# Altium PCB ATM1099C-0627-ssy-5.PcbDoc (part 1 of 4)
Units mm, origin at the board's own origin, x right, y up, seen from the top; angles counter-clockwise.
Board outline 134 x 90 mm, 4 copper layers (TOP, GND, POWER, BOTTOM), stack 1.562 mm thick; 290 components, 303 nets, 1209 pads, 571 vias.
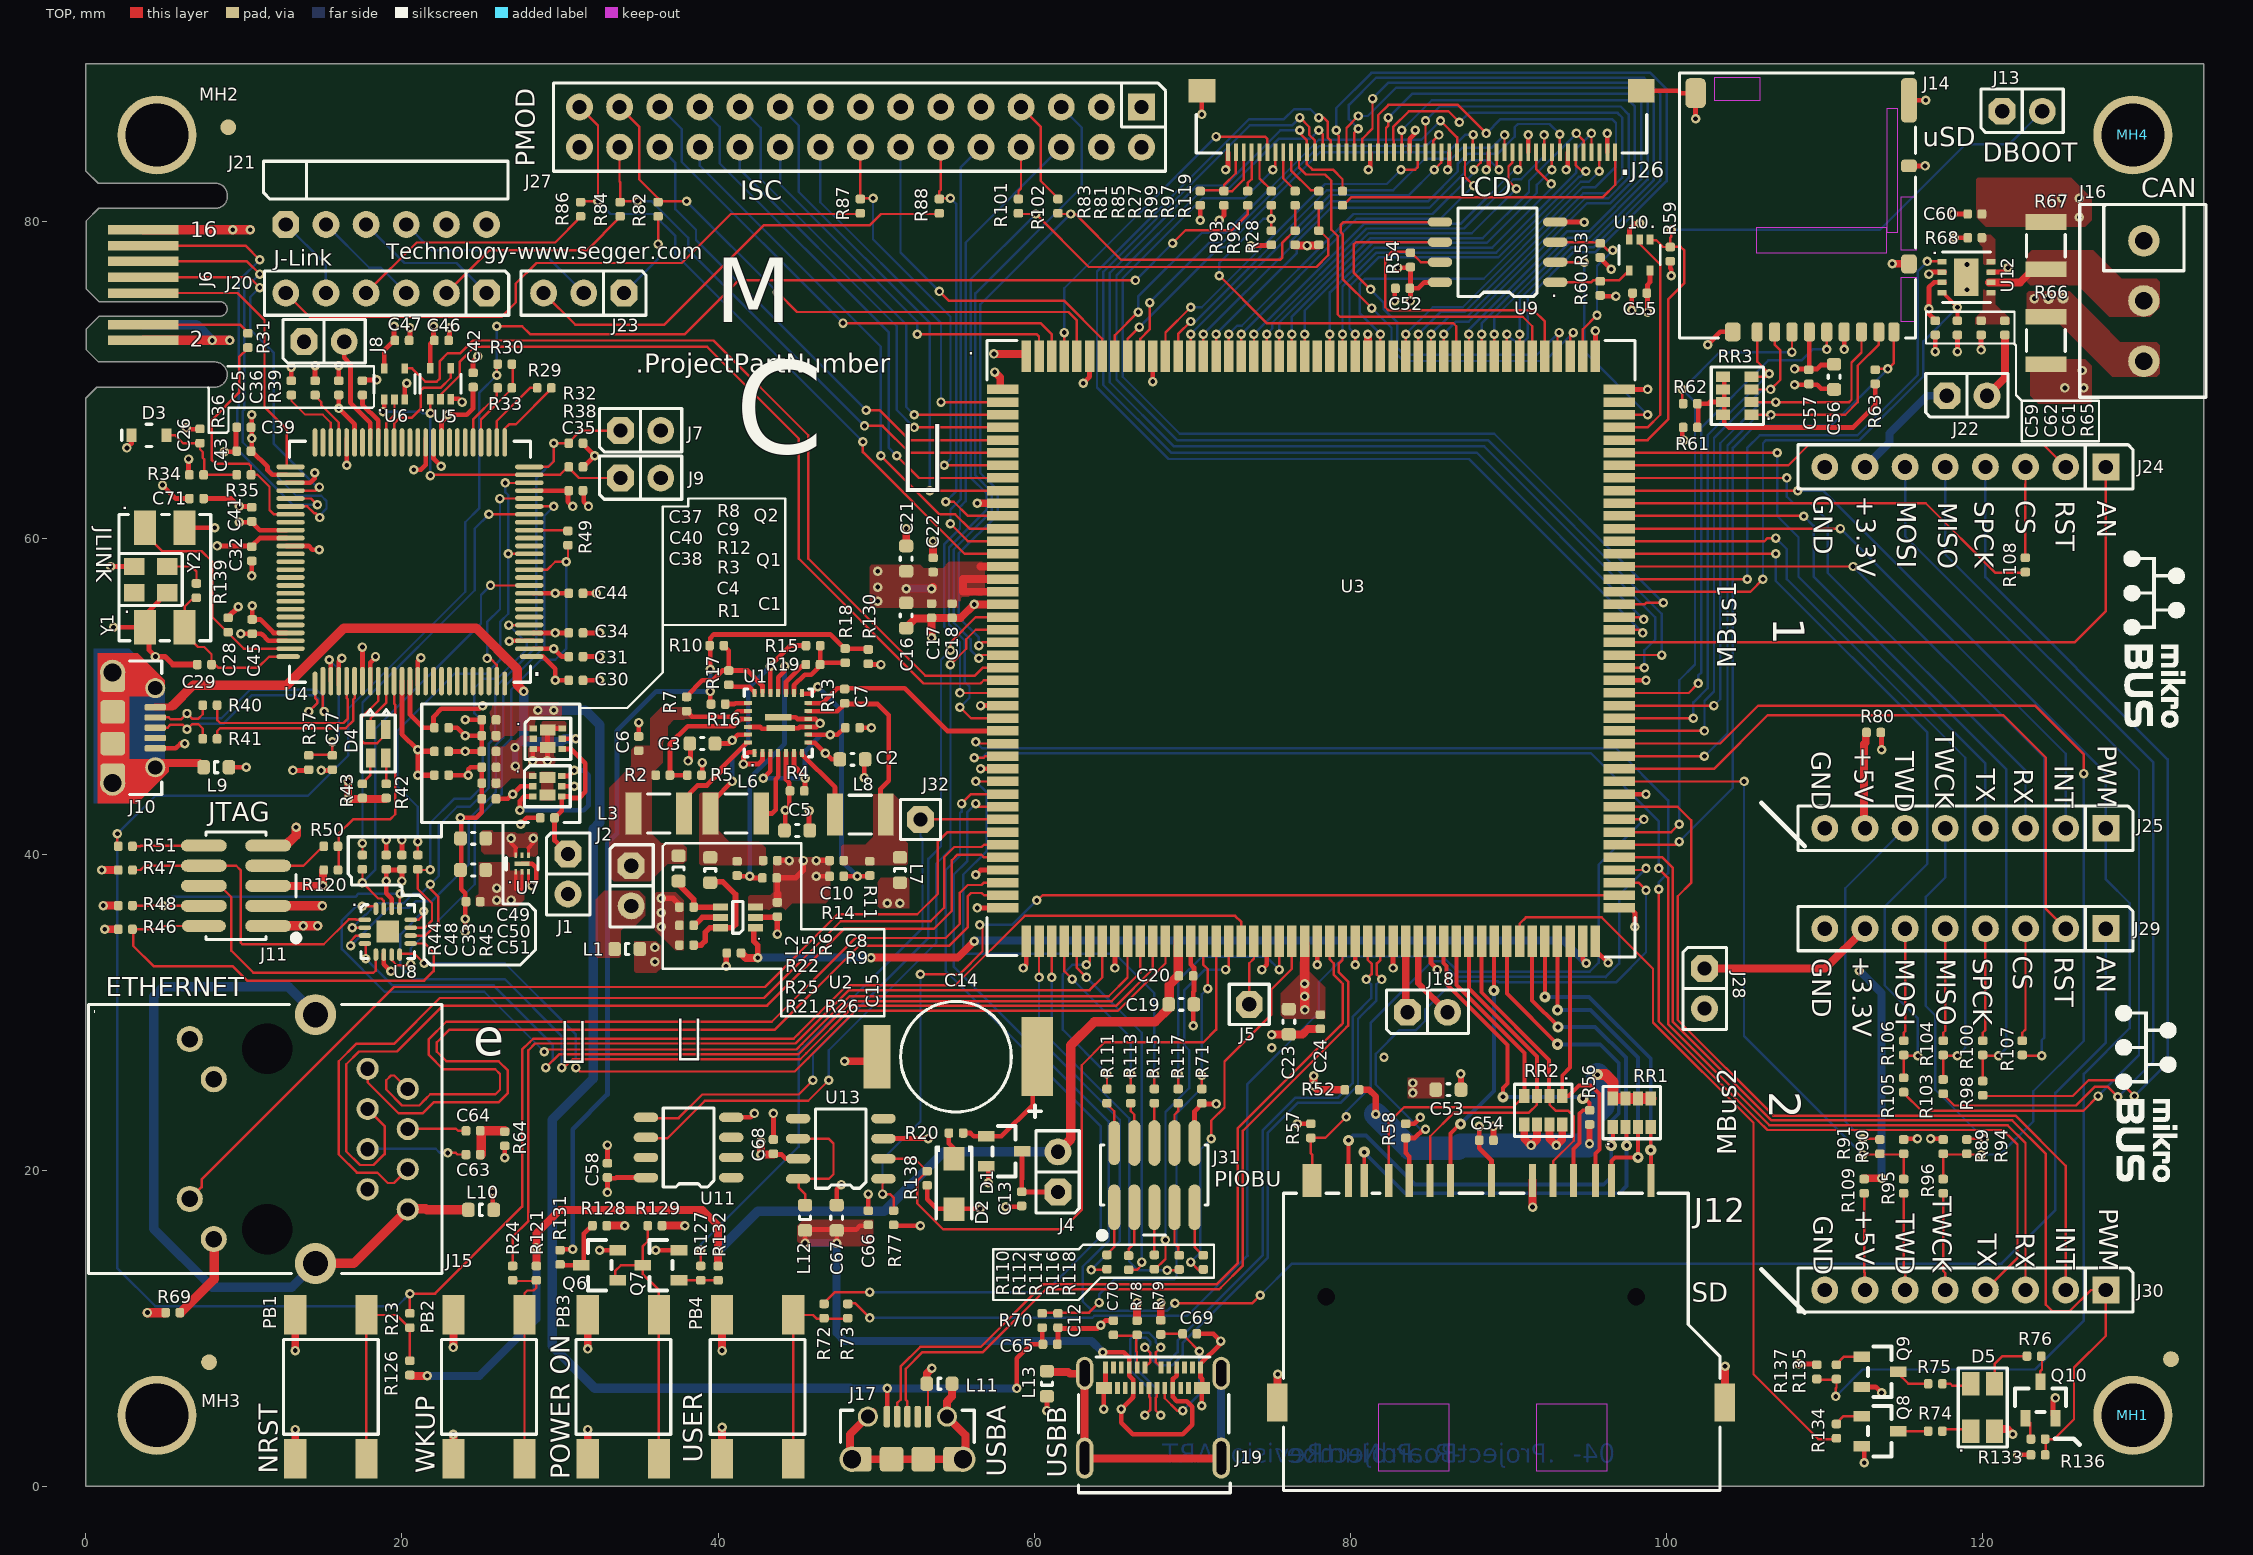
[diagram p0: TOP view]
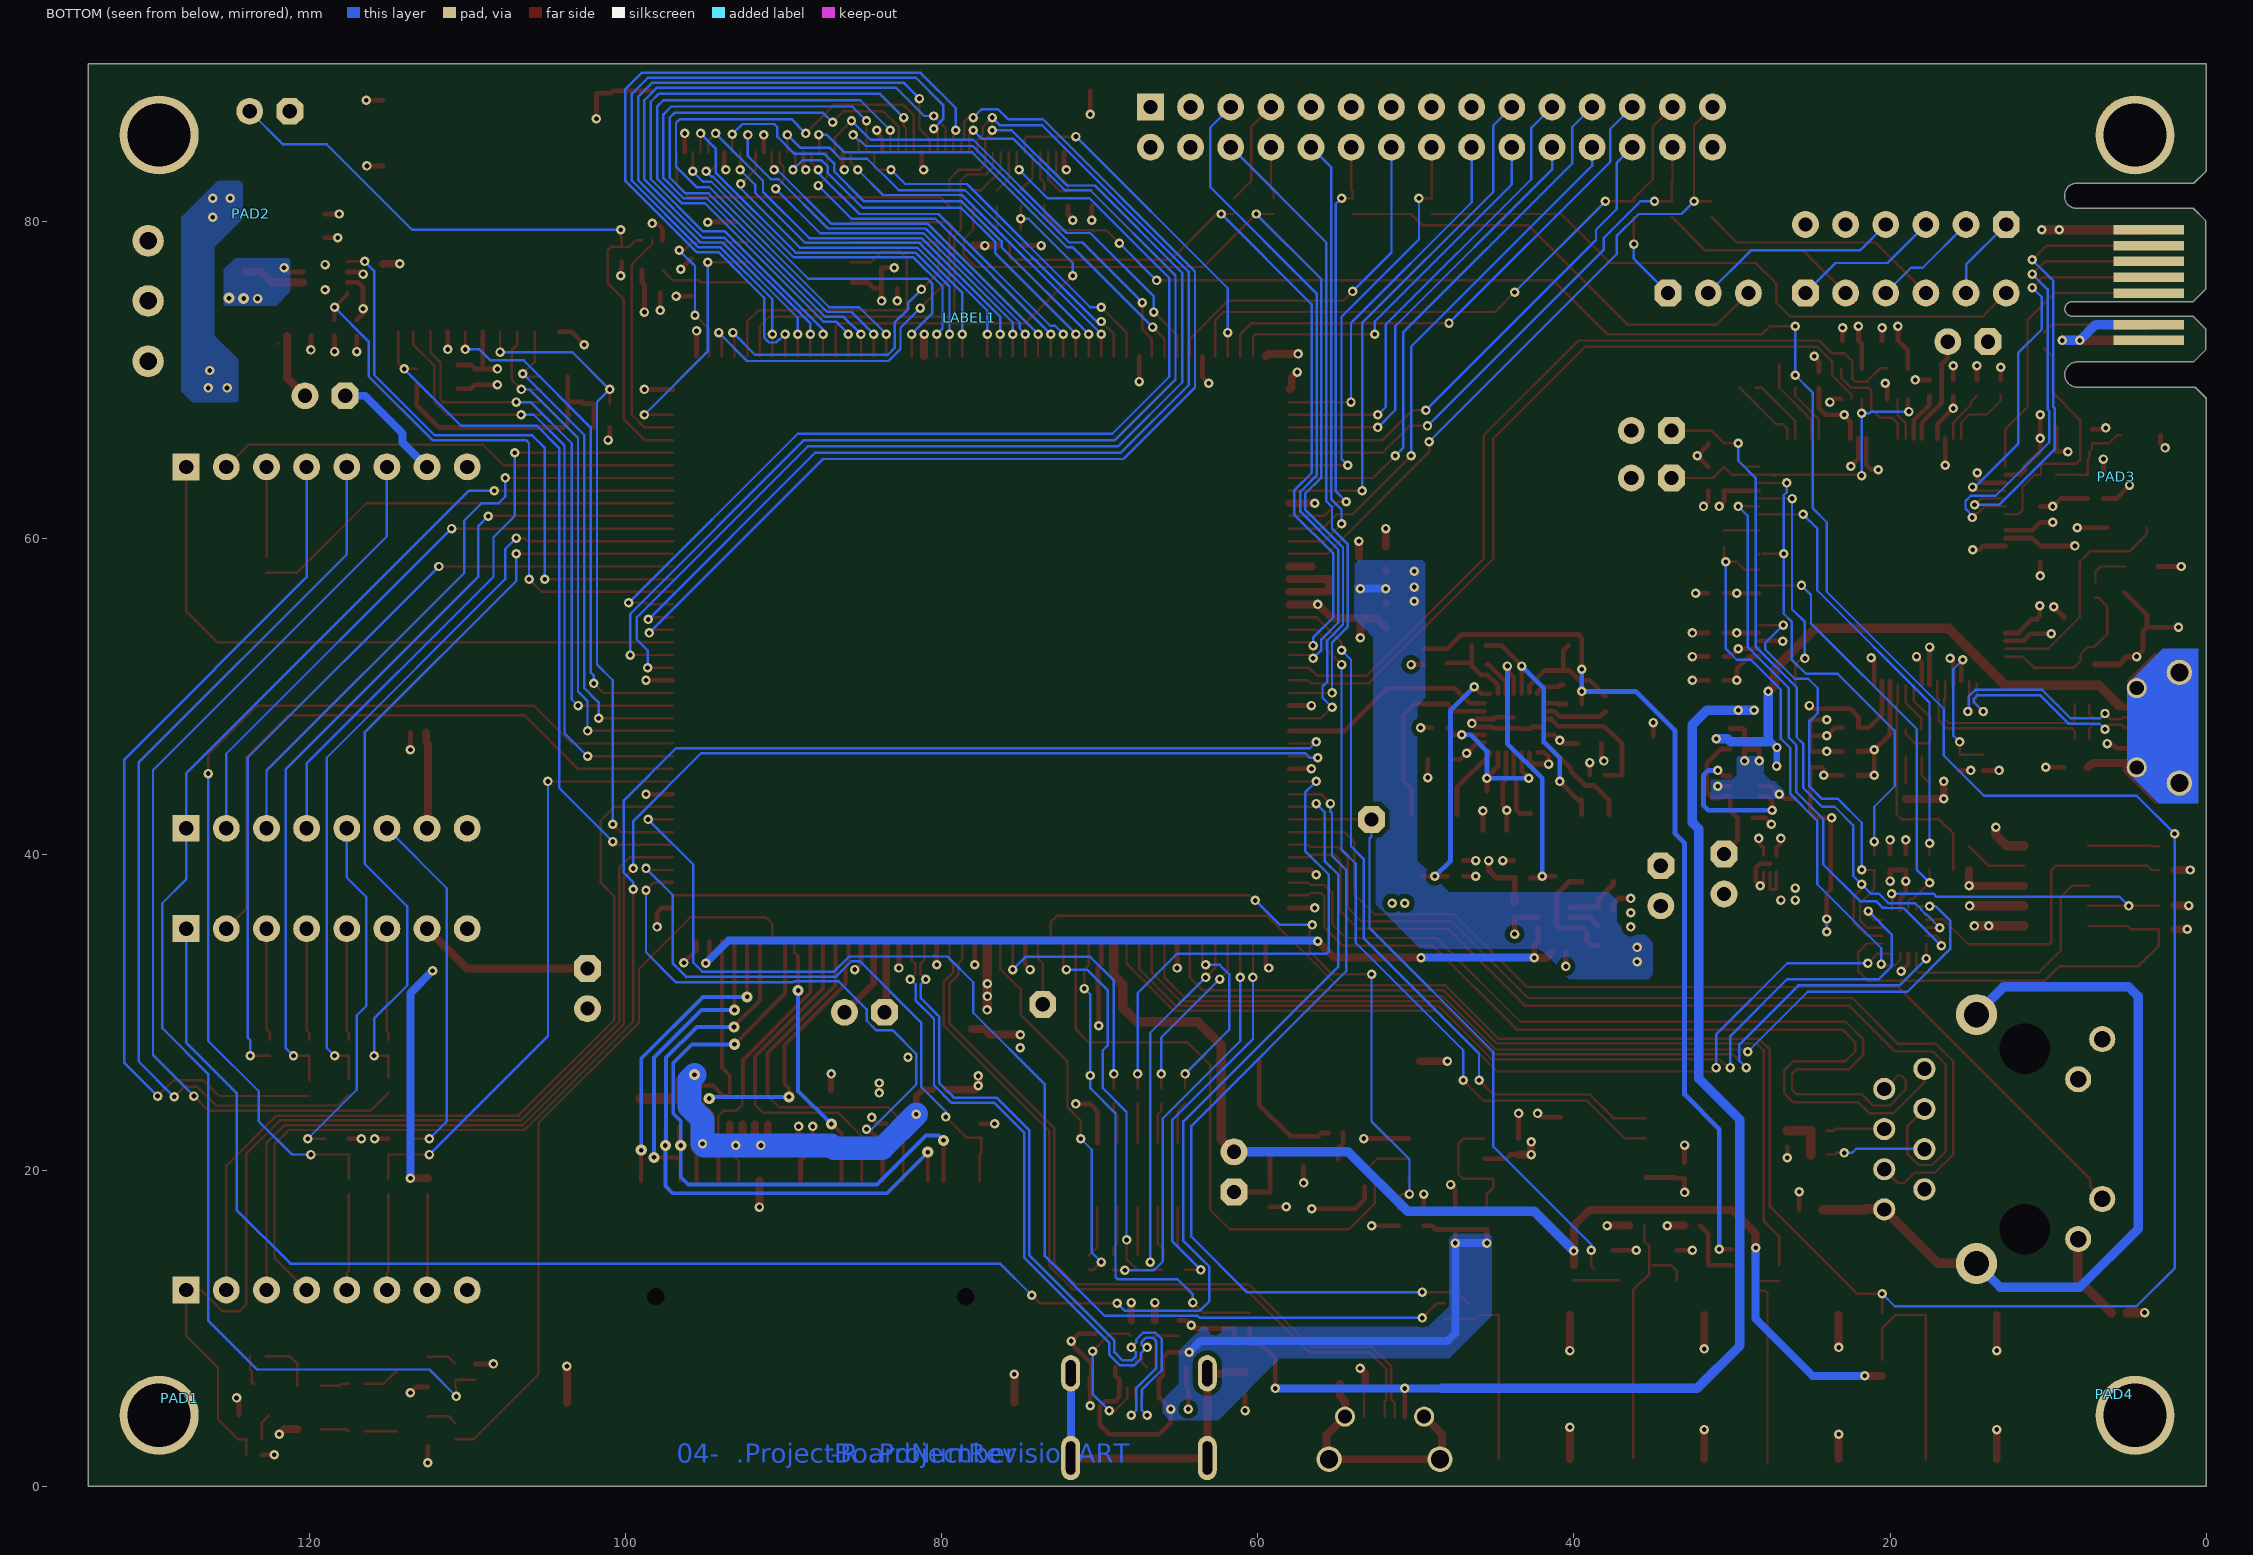
[diagram p1: BOTTOM view, seen from below]
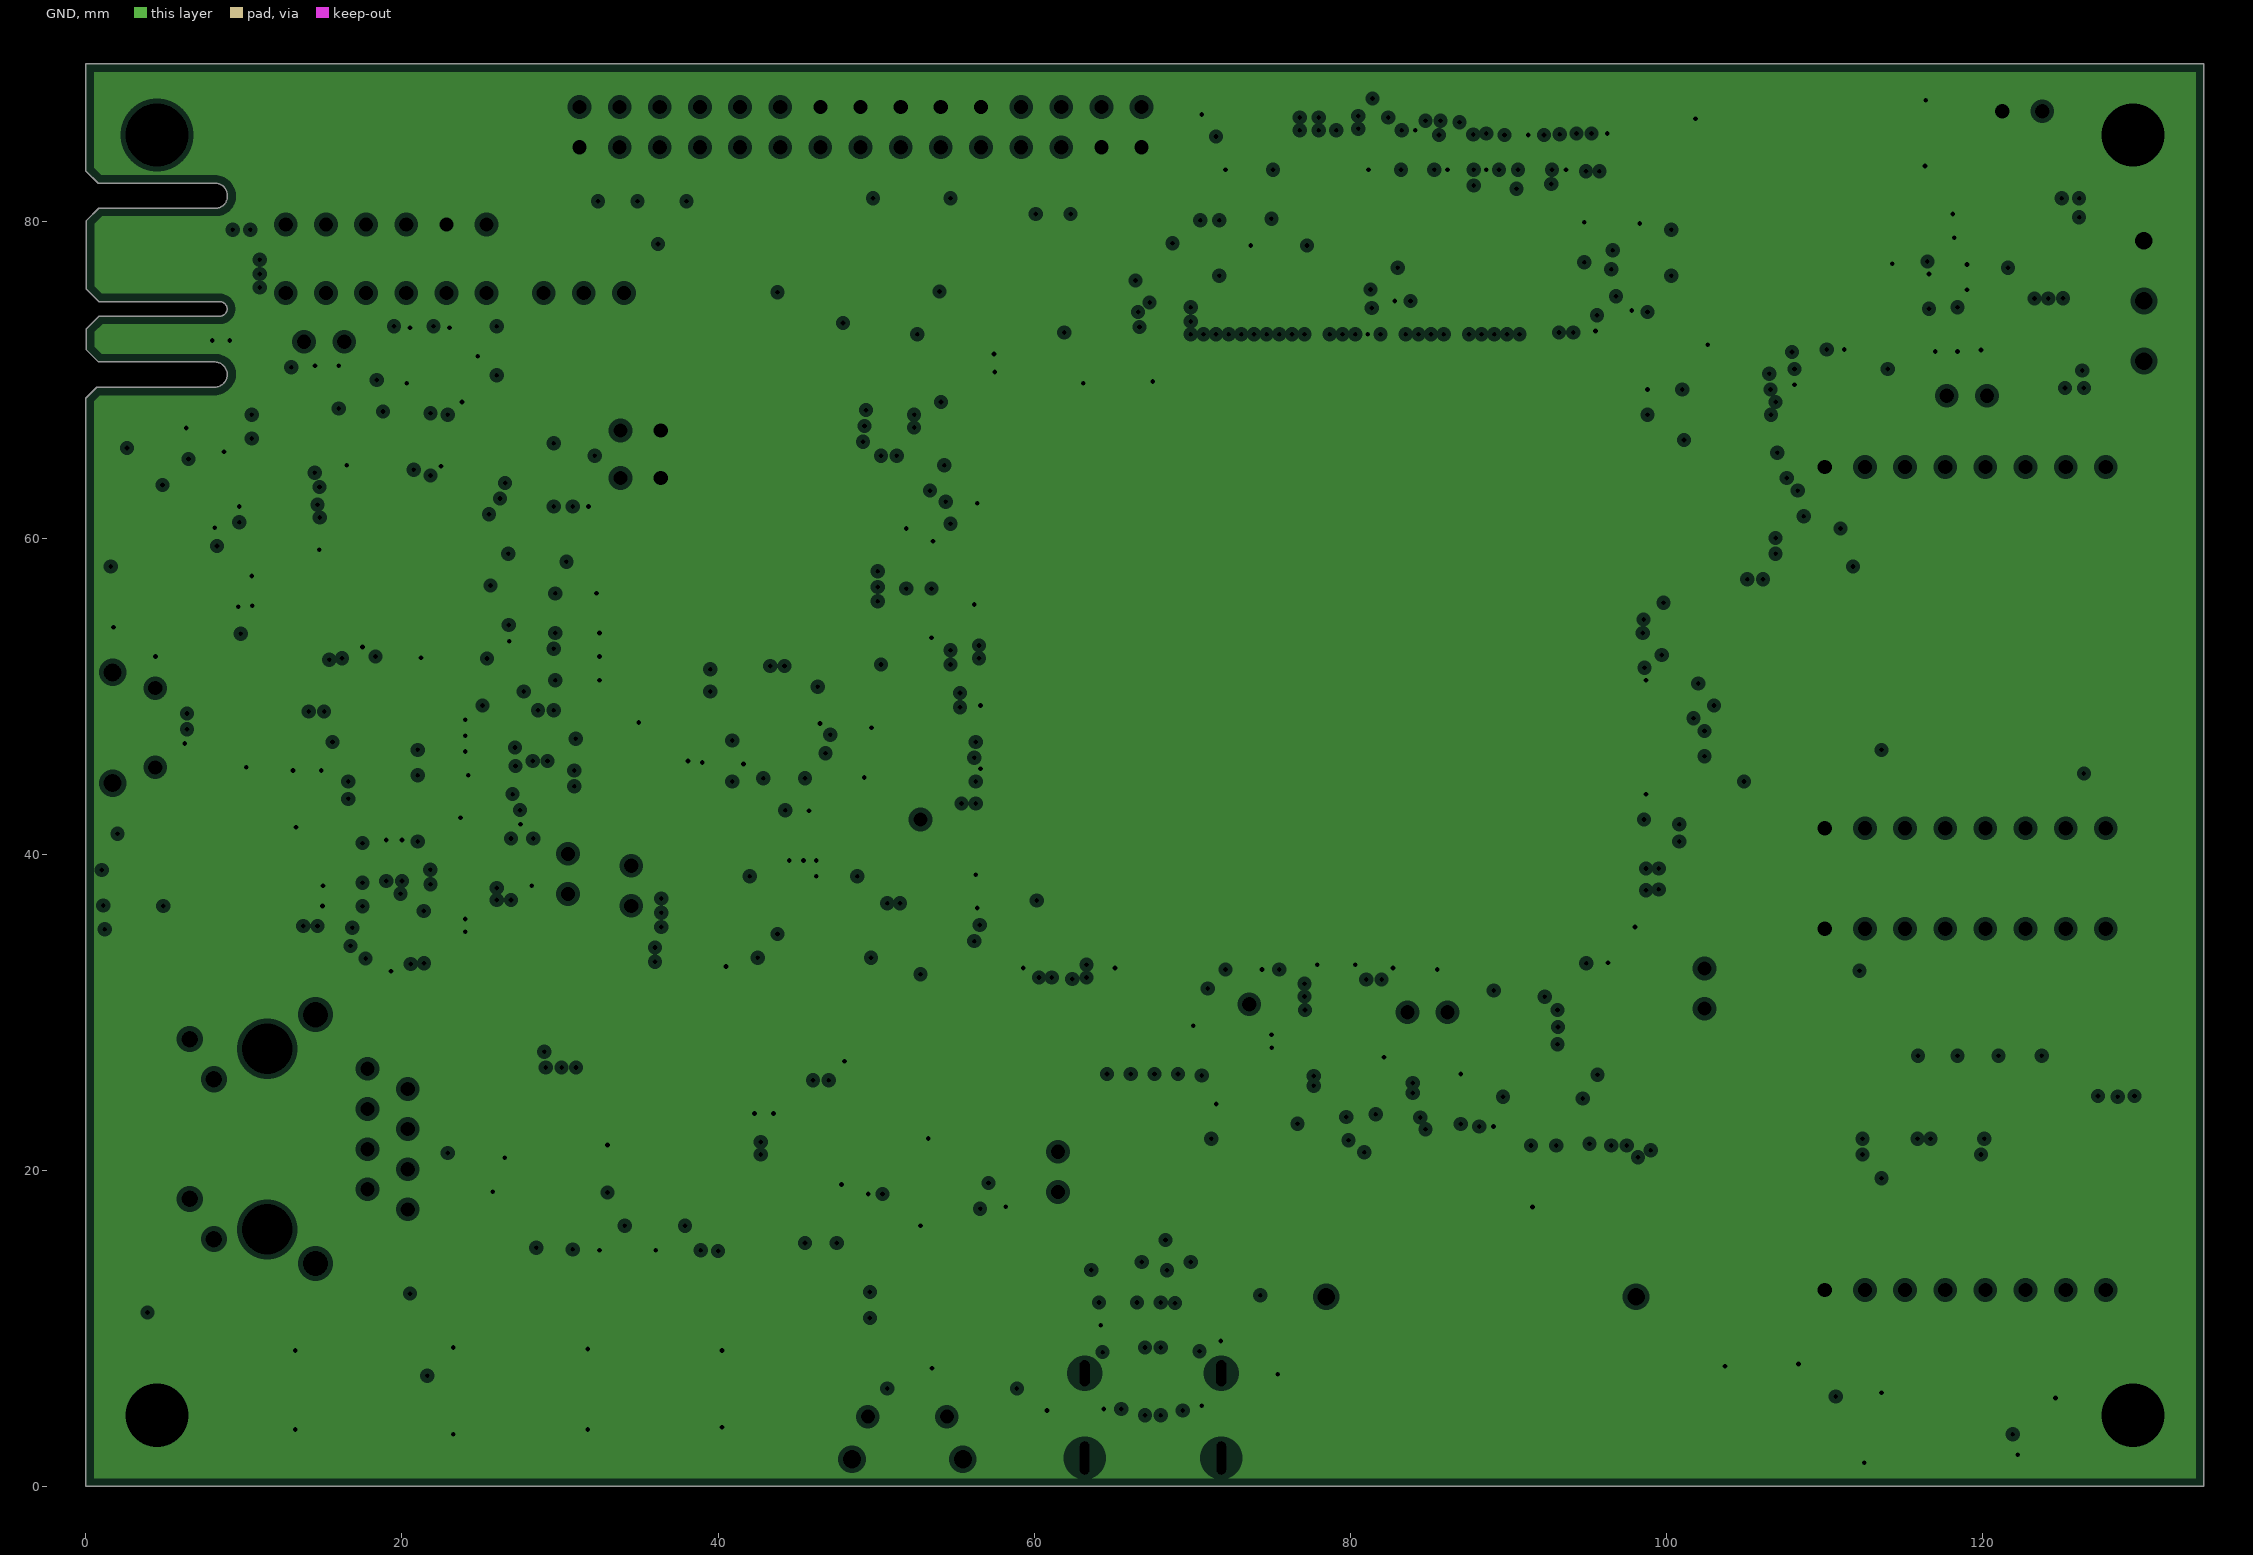
[diagram p2: GND, clearances drawn from the general rule]